# Altium PCB Motherboard PCB.PcbDoc (part 1 of 3) (continued)
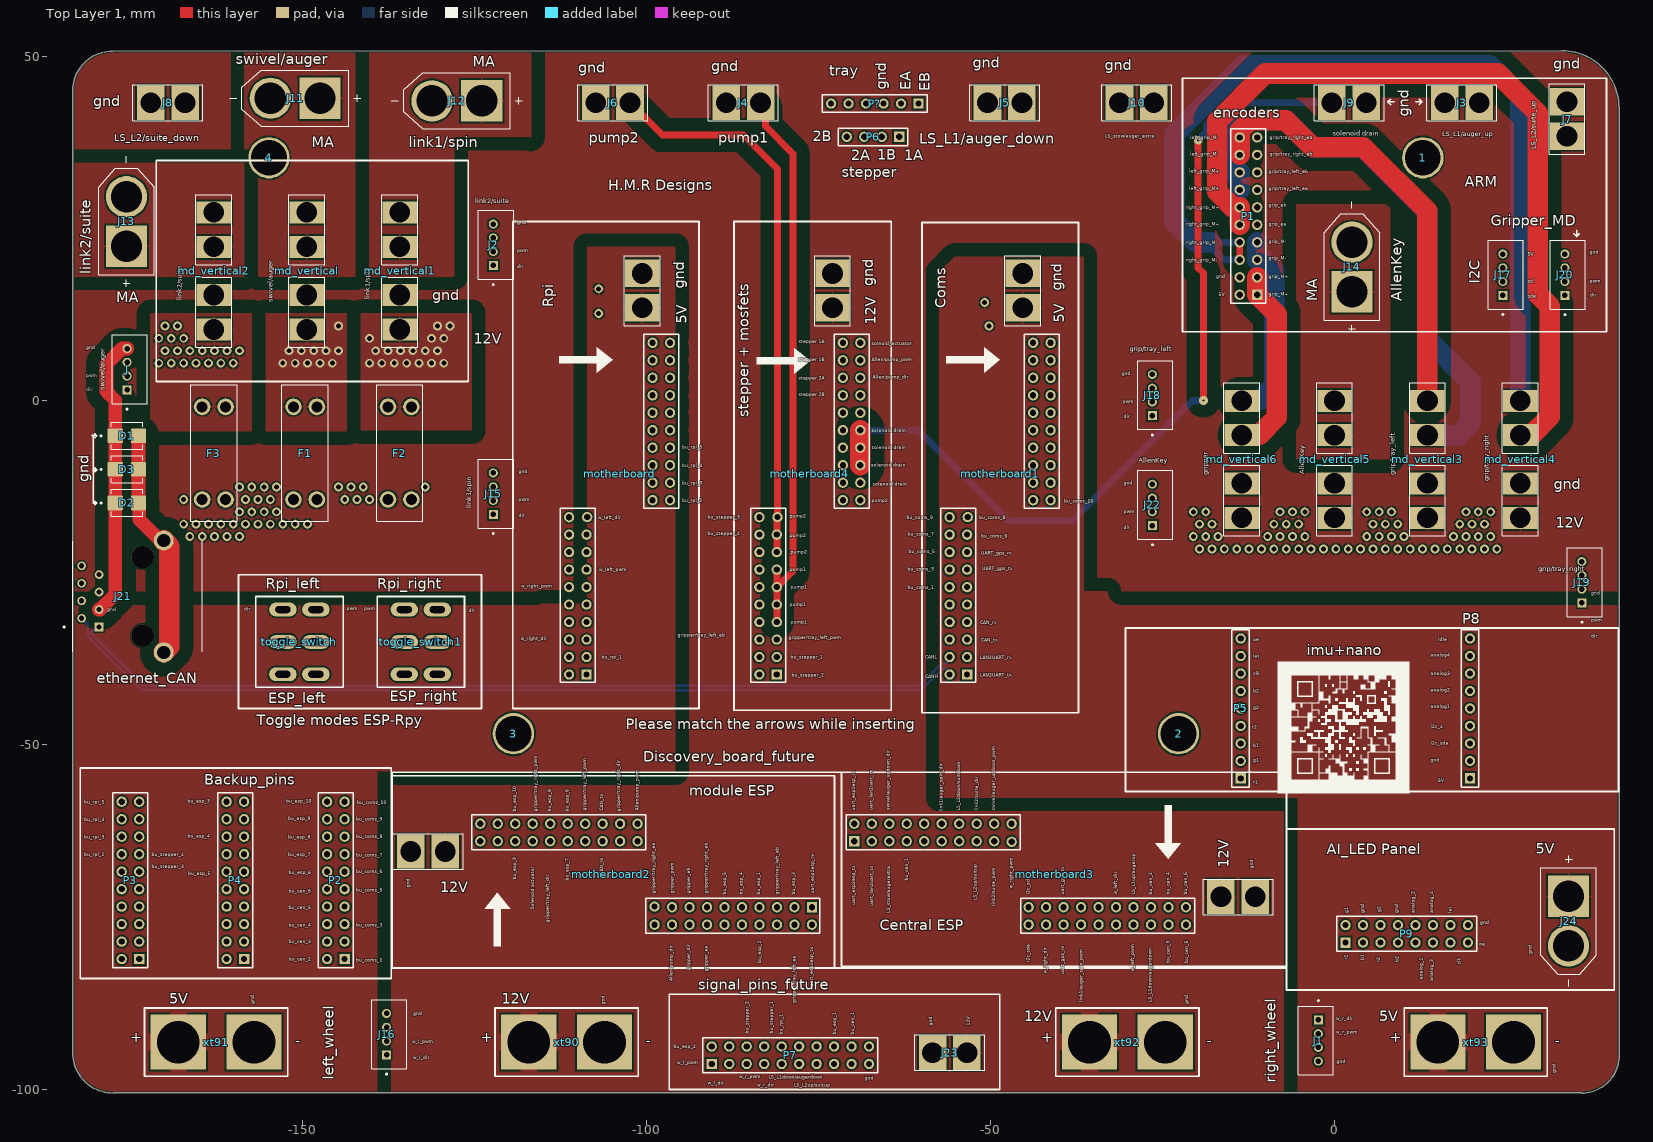
[diagram p0: Top Layer 1 view]
## Nets (pads, with @x,y where several pads share a name; then routed paths per layer and width w, separated by ;. In a path a pad name is that pad's centre, name@x,y a point inside that pad or via, vN(x,y) a via of type N, cw(c..) or ccw(c..) an arc to the next point about the centre after c; other vN are vias at no path point)
can_N: J21.1 motherboard1.4 | length 131.4
  Bottom Layer 1 w0.381: J21.1@-179.502,-32.875 -179.9,-33.273 -180.309,-33.273 -180.532,-33.496 -180.532,-33.923 -173.053,-41.402 -60.321,-41.402 -57.101,-38.182 -56.523,-38.182 -56.3,-37.959 -56.3,-37.91 -55.922,-37.533 motherboard1.4@-55.922,-37.23
CAN_P: J21.2 motherboard1.2 | length 133.4
  Bottom Layer 1 w0.381: J21.2@-182.042,-31.605 -181.987,-31.605 -181.167,-32.425 -181.167,-34.186 -173.316,-42.037 -60.058,-42.037 -56.838,-38.817 -56.523,-38.817 -56.3,-39.041 -56.3,-39.09 -55.922,-39.467 motherboard1.2@-55.922,-39.77
GND: D1.1 D2.1 D3.1 J1.4 J2.4 J3.2 J4.2 J5.2 J6.2 J7.2 J8.2 J9.2 J10.2 J15.4 J16.4 J18.4 J19.4 J20.4 J21.3 J22.4 J23.2 J24.N J.4 md_vertical1.2 md_vertical2.2 md_vertical3.2 md_vertical4.2 md_vertical5.2 md_vertical6.2 md_vertical.2 motherboard1.pow- motherboard2.pow- motherboard3.pow- motherboard4.pow- motherboard.pow- P1.4 P7.19 P8.2 P9.4 P9.8 P9.16 P?.3 xt90.2 xt91.2 xt92.2 xt93.2 | length 157.8
  Top Layer 1 w2: J21.3@-179.502,-30.335 -179.371,-30.335 -177.143,-28.107 D2.1@-177.143,-14.841 D3.1@-177.143,-9.969 D1.1@-177.143,-5.098 -177.143,0.076 -178.435,1.368 -178.435,5.305 -176.15,7.59 J.4@-175.438,7.59
  Top Layer w1: -107.298,40.132 -107.298,31.284 -102.584,26.57 -102.584,20 -101.084,18.5 motherboard.pow-@-100.584,18.5
  Top Layer w1.5: -107.362,40.259 -107.362,40.759
  Top Layer w3: J8.2@-172.014,43.321 -172.014,33.965 -168.066,30.017 -168.066,19.709 -163.723,15.366 md_vertical2.2@-162.823,15.366 ; -107.362,40.259 -106.862,40.759
  Bottom Layer w0.254: xt90.2@-106.069,-93.18 xt90.2@-104.303,-94.946 ; J23.2@-58.403,-95.204 J23.2@-58.403,-94.704
  Bottom Layer w3: motherboard.pow-@-100.584,18.5 -100.142,18.058 -72.045,18.058 -72.045,18.18 -71.937,18.288 motherboard1.pow-@-45.502,18.288
NetD1_2: D1.2 D2.2 D3.2 J21.9 J21.10 | length 34
  Top Layer 1 w2: D1.2@-173.783,-5.098 D3.2@-173.783,-9.969 D2.2@-173.783,-14.841 -173.738,-14.841 -173.673,-14.906 -173.673,-17.208 -170.75,-20.131 -170.275,-20.131 J21.10@-170.104,-20.302
  Top Layer 1 w3: J21.9@-170.104,-36.558 -169.291,-35.745 -169.291,-21.115 J21.10@-170.104,-20.302
NetF1_1_1: F1.1_1 F1.1_2 F2.1_1 F2.1_2 F3.1_1 F3.1_2 J23.1 md_vertical3.1 md_vertical4.1 md_vertical5.1 md_vertical6.1 motherboard2.pow+ motherboard3.pow+ motherboard4.pow+ xt90.1 xt92.1 | length 19.1
  Top Layer w0.254: J23.1@-53.403,-94.704 J23.1@-53.403,-94.204
  Bottom Layer w3: J23.1@-53.403,-94.704 -53.403,-94.442 -52.903,-93.942 -36.362,-93.942 xt92.1@-35.6,-93.18
  other v2: -19.614,-21.531 -17.814,-21.531 -16.014,-21.531 -14.214,-21.531 -12.414,-21.531 -10.614,-21.531 -8.814,-21.531 -7.014,-21.531 -5.214,-21.531 -3.414,-21.531 -1.614,-21.531 0.186,-21.531 1.986,-21.531 3.786,-21.531 5.586,-21.531 7.386,-21.531 9.186,-21.531 10.986,-21.531 12.786,-21.531 14.586,-21.531 16.386,-21.531 18.186,-21.531 19.986,-21.531 21.786,-21.531 23.586,-21.531 -166.314,-19.731 -164.514,-19.731 -162.714,-19.731 -160.914,-19.731 -159.114,-19.731 -20.514,-19.731 -18.714,-19.731 -16.914,-19.731 -9.714,-19.731 -7.914,-19.731 -6.114,-19.731 -4.314,-19.731 4.686,-19.731 6.486,-19.731 8.286,-19.731 10.086,-19.731 17.286,-19.731 19.086,-19.731 20.886,-19.731 22.686,-19.731 -167.214,-17.931 -165.414,-17.931 -163.614,-17.931 -161.814,-17.931 -160.014,-17.931 -158.214,-17.931 -156.414,-17.931 -154.614,-17.931 -152.814,-17.931 -151.014,-17.931 -149.214,-17.931 -19.614,-17.931 -17.814,-17.931 -8.814,-17.931 -7.014,-17.931 -5.214,-17.931 5.586,-17.931 7.386,-17.931 9.186,-17.931 18.186,-17.931 19.986,-17.931 21.786,-17.931 -159.114,-16.131 -157.314,-16.131 -155.514,-16.131 -153.714,-16.131 -20.514,-16.131 -18.714,-16.131 -7.914,-16.131 -6.114,-16.131 -4.314,-16.131 4.686,-16.131 6.486,-16.131 8.286,-16.131 19.086,-16.131 20.886,-16.131 22.686,-16.131 -167.214,-14.331 -158.214,-14.331 -156.414,-14.331 -154.614,-14.331 -143.814,-14.331 -142.014,-14.331 -140.214,-14.331 -159.114,-12.531 -157.314,-12.531 -155.514,-12.531 -153.714,-12.531 -144.714,-12.531 -142.914,-12.531 -141.114,-12.531 -132.114,-12.531
NetF1_2_1: F1.2_1 F1.2_2 md_vertical.1
  other v2: -152.814,5.469 -151.014,5.469 -149.214,5.469 -147.414,5.469 -145.614,5.469 -151.914,7.269 -150.114,7.269 -148.314,7.269 -146.514,7.269 -144.714,7.269 -144.714,10.869
NetF2_2_1: F2.2_1 F2.2_2 md_vertical1.1
  other v2: -140.214,5.469 -138.414,5.469 -136.614,5.469 -134.814,5.469 -133.014,5.469 -131.214,5.469 -129.414,5.469 -139.314,7.269 -137.514,7.269 -135.714,7.269 -133.914,7.269 -132.114,7.269 -130.314,7.269 -140.214,9.069 -131.214,9.069 -129.414,9.069 -130.314,10.869 -128.514,10.869
NetF3_2_1: F3.2_1 F3.2_2 md_vertical2.1
  other v2: -170.814,5.469 -169.014,5.469 -167.214,5.469 -165.414,5.469 -163.614,5.469 -161.814,5.469 -160.014,5.469 -169.914,7.269 -168.114,7.269 -166.314,7.269 -164.514,7.269 -162.714,7.269 -160.914,7.269 -159.114,7.269 -170.814,9.069 -169.014,9.069 -167.214,9.069 -169.914,10.869 -168.114,10.869
NetJ1_1: J1.1 P7.7 toggle_switch1.5 | length 194.2
  Top Layer w1: toggle_switch1.5@-130.353,-35.034 -129.381,-35.034 -127.599,-36.816 -127.599,-42.181 -130.04,-44.622 -130.04,-47.418 -125.622,-51.836 -125.622,-64.97 -124.333,-66.259 -124.333,-77.148 -119.312,-82.169 -110.744,-82.169 -104.487,-88.426 -100.838,-88.426 -100.252,-89.012 -100.252,-97.353 -99.666,-97.939 -87.522,-97.939 v1(-87.521,-97.938) ; v1(-84.836,-99.314) -82.963,-97.441 -82.963,-96.451 P7.7@-82.867,-96.355 P7.7@-82.771,-96.451 ; v1(-5.905,-97.925) -5.905,-90.301 -5.803,-90.199 v1(-5.803,-90.126)
  Bottom Layer w1: v1(-87.521,-97.938) -87.448,-97.938 -86.199,-99.187 v1@-84.709,-99.187 ; P7.7@-82.867,-96.355 -80.756,-98.466 -30.984,-98.466 -30.754,-98.236 -18.04,-98.236 -17.81,-98.006 -8.54,-98.006 -8.459,-97.925 v1(-5.905,-97.925) ; v1(-5.803,-90.126) -5.752,-90.075 -2.466,-90.075 J1.1@-2.349,-89.957
NetJ1_2: J1.2 P7.5 toggle_switch1.2 | length 212.1
  Top Layer w1: toggle_switch1.2@-135.153,-35.034 -136.125,-35.034 -137.907,-36.816 -137.907,-50.942 -133.604,-55.245 -133.604,-60.071 -135.769,-62.236 -136.51,-62.236 -136.952,-62.678 -136.952,-68.302 -134.922,-70.332 -134.922,-78.116 -132.715,-80.323 -132.715,-97.585 -130.973,-99.327 -86.946,-99.327 -85.439,-97.82 -85.439,-96.387 P7.5@-85.407,-96.355 ; v1(-4.496,-99.55) v1(-4.496,-91.93)
  Bottom Layer w1: P7.5@-85.407,-96.355 -85.311,-96.451 -85.311,-96.807 -82.398,-99.72 -30.465,-99.72 -30.295,-99.55 v1(-4.496,-99.55) ; v1(-4.496,-91.93) -4.482,-91.944 -2.363,-91.944 J1.2@-2.349,-91.957
NetJ2_1: J2.1 motherboard3.16 | length 148.1
  Top Layer w1: v1(-108.769,18.781) -108.768,-4.008 -102.671,-10.105 -102.671,-27.004 -102.616,-27.059 -102.616,-43.958 -102.613,-43.961 v1(-102.613,-44.083) ; v1(-53.02,-44.342) -53.02,-46.877 -53.308,-47.165 -53.308,-57.749 -51.994,-59.063 motherboard3.16@-51.994,-61.45
  Bottom Layer w1: J2.1@-122.225,19.672 -118.854,19.672 -117.498,18.315 -111.067,18.315 -110.653,18.729 -108.82,18.729 v1(-108.769,18.781) ; v1(-102.613,-44.083) -102.54,-44.083 -102.046,-44.577 -86.848,-44.577 -86.119,-45.306 -82.483,-45.306 -82.213,-45.036 -78.47,-45.036 -77.319,-45.036 -67.516,-45.036 -67.246,-45.306 -60.131,-45.306 -60.101,-45.276 -54.112,-45.276 -53.313,-44.477 -53.228,-44.477 -53.093,-44.342 v1(-53.02,-44.342)
NetJ2_2: J2.2 motherboard3.17 | length 203.2
  Top Layer w1: v1(-108.649,20.319) -108.597,20.268 -108.291,20.268 -105.208,17.184 -105.208,-5.536 -101.417,-9.327 -101.417,-25.84 -101.227,-26.03 v1(-101.227,-30.853) ; v1(-86.654,-30.861) -86.654,-30.788 -87.122,-30.32 -87.122,-25.34 -85.598,-23.816 -85.598,-16.368 -84.416,-15.186 v1(-84.416,-15.113) ; v1(-75.43,-19.849) -75.43,-19.776 -75.295,-19.641 -75.295,-17.487 -75.43,-17.352 v1(-75.43,-15.125) ; v1(-64.499,-19.812) -64.499,-19.739 -64.397,-19.637 -64.397,-17.59 -64.484,-17.502 -64.484,-15.382 v1(-64.499,-15.367) ; v1(-50.292,-15.367) -50.292,-31.623 -49.276,-32.639 -49.276,-33.85 -48.903,-34.223 -48.903,-48.198 -49.276,-48.571 -49.276,-56.315 -48.895,-56.696 v1(-48.895,-56.769) ; motherboard3.17@-49.454,-63.99 -47.858,-65.586 -46.279,-65.586 -45.339,-64.646 v1(-45.339,-56.832)
  Bottom Layer w1: J2.2@-122.225,21.672 -119.081,21.672 -116.978,19.569 -111.586,19.569 -110.836,20.319 v1(-108.649,20.319) ; v1(-101.227,-30.853) -101.11,-30.853 -101.102,-30.861 v1(-86.654,-30.861) ; v1(-84.416,-15.113) -84.41,-15.119 -75.436,-15.119 v1(-75.43,-15.125) ; v1(-75.43,-19.849) -75.412,-19.83 -64.518,-19.83 v1(-64.499,-19.812) ; v1(-64.499,-15.367) -64.472,-15.394 v1@-50.292,-15.394 ; v1(-48.895,-56.769) -48.863,-56.801 -45.371,-56.801 v1(-45.339,-56.832)
NetJ3_1: J3.1 motherboard3.34 | length 205
  Top Layer w1: v1(-31.115,-58.801) -31.115,-62.852 -29.369,-64.598 -29.369,-66.466 -29.71,-66.807 -29.71,-72.33 -29.3,-72.741 -29.3,-73.486 motherboard3.34@-29.204,-73.582 ; v1(20.955,27.813) 20.955,27.886 21.209,28.14 21.209,43.1 J3.1@21.002,43.307 ; v1(37.719,-57.912) 39.116,-56.515 39.116,27.359 38.735,27.74 v1(38.735,27.813)
  Bottom Layer w1: v1(-31.115,-58.801) -31.113,-58.799 -28.98,-58.799 -28.736,-58.555 2.808,-58.555 3.451,-57.912 v1(37.719,-57.912) ; v1(20.955,27.813) v1(38.735,27.813)
NetJ4_1: J4.1 motherboard4.7 motherboard4.9 motherboard4.11 motherboard4.13 | length 160.6
  Top Layer 1 w1: J4.1@-83.392,43.307 -82.692,42.607 -82.692,39.893 -78.683,35.884 -78.683,-24.724 motherboard4.11@-81.029,-27.07 ; motherboard4.7@-81.029,-32.15 motherboard4.9@-81.029,-29.61 motherboard4.11@-81.029,-27.07 ; motherboard4.13@-81.029,-24.53 motherboard4.11@-81.029,-27.07
  Top Layer w1: J4.1@-83.392,41.021 -83.392,37.799 -79.502,33.909 -79.502,28.603 -80.145,27.96 -80.145,25.185 -80.216,25.114 -80.216,5.308 -79.502,4.594 -79.502,-11.93 v1(-79.51,-11.938) ; motherboard4.7@-81.026,-32.108 motherboard4.13@-81.026,-24.488 ; v1(-78.359,-24.511) -78.349,-24.501 -78.349,-13.012 -78.121,-12.784 -78.121,-12.081 v1(-78.105,-12.065)
  Bottom Layer w1: motherboard4.13@-81.26,-24.53 -81.25,-24.52 -78.368,-24.52 v1(-78.359,-24.511) ; v1(-79.51,-11.938) -79.437,-11.938 -79.362,-12.013 -78.157,-12.013 v1(-78.105,-12.065)
NetJ5_1: J5.1 motherboard3.35 P7.11 | length 277.8
  Top Layer w1: P7.11@-77.787,-96.355 -74.844,-99.298 -15.445,-99.298 -14.859,-98.712 v1(-14.859,-85.344) ; v1(-45.629,-55.336) -45.629,-50.603 -46.101,-50.131 -46.101,-7.493 -48.544,-5.05 -48.544,21.598 -45.72,24.422 -45.72,43.006 J5.1@-45.419,43.307 ; v1(-26.664,-85.783) motherboard3.35@-26.664,-76.122 ; v1(-6.223,-84.201) -6.174,-84.152 -6.174,-72.962 -5.874,-72.662 -5.874,-57.18 -5.925,-57.128 -5.925,-56.878 v1(-5.977,-56.826)
  Bottom Layer w1: v1(-45.629,-55.336) -45.593,-55.372 -27.522,-55.372 -26.125,-56.769 -16.397,-56.769 -16.278,-56.65 -8.612,-56.65 -8.436,-56.826 v1(-5.977,-56.826) ; v1(-26.664,-85.783) -26.661,-85.78 -24.011,-85.78 -23.879,-85.648 -22.725,-85.648 -22.664,-85.709 -16.185,-85.709 -15.872,-85.396 -14.88,-85.396 -14.859,-85.417 -14.734,-85.292 -12.854,-85.292 -12.009,-84.447 -11.998,-84.447 -11.691,-84.141 -10.153,-84.141 -9.973,-84.32 -8.415,-84.32 -8.348,-84.253 -6.275,-84.253 v1(-6.223,-84.201)
NetJ6_1: J6.1 motherboard4.15 motherboard4.17 motherboard4.19 motherboard4.21 | length 177
  Top Layer 1 w1: J6.1@-102.362,43.307 -97.663,38.608 -85.852,38.608 -80.937,33.693 motherboard4.19@-80.937,-16.898 -80.983,-16.944 -80.983,-19.45 -80.983,-21.944 motherboard4.15@-81.029,-21.99
  Top Layer w1: -102.349,40.627 -102.108,40.386 v1(-102.108,31.242) ; v1(-81.534,27.393) -81.534,22.229 -81.47,22.165 -81.47,4.788 -80.937,4.255 motherboard4.19@-80.937,-16.898 -81.029,-16.99 motherboard4.17@-81.029,-19.45 motherboard4.15@-81.029,-21.99 ; v1(-68.834,-16.764) -68.865,-16.732 -68.865,-14.443 motherboard4.21@-68.834,-14.412
  Bottom Layer w1: v1(-102.108,31.242) -102.1,31.25 -95.061,31.25 -91.878,28.067 -88.91,28.067 -88.101,27.258 -84.873,27.258 -84.738,27.393 v1(-81.534,27.393) ; motherboard4.19@-80.772,-17.018 -80.748,-16.994 -80.488,-16.994 -80.463,-17.018 -69.161,-17.018 -68.907,-16.764 v1(-68.834,-16.764)
NetJ7_1: J7.1 motherboard3.15 P7.13 | length 254.3
  Top Layer w1: P7.13@-75.247,-96.355 -73.558,-98.044 -48.338,-98.044 -47.752,-97.458 -47.752,-93.519 -55.364,-85.907 -55.364,-67.36 motherboard3.15@-51.994,-63.99 -49.144,-66.84 -45.76,-66.84 -42.303,-63.383 -41.702,-63.383 -40.994,-62.675 -39.575,-62.675 -38.989,-62.089 -38.989,-60.366 -38.132,-59.509 -38.132,-44.16 -38.219,-44.073 -38.219,-34.223 -38.013,-34.017 v1(-38.013,-28.321) ; v1(22.86,-28.448) 22.86,-25.212 26.228,-21.844 31.006,-21.844 31.592,-21.258 31.592,-8.335 30.369,-7.112 30.369,4.975 28.837,6.507 28.837,27.351 33.782,32.296 J7.1@33.782,38.434
  Bottom Layer w1: v1(-38.013,-28.321) -37.981,-28.289 -16.498,-28.289 -16.45,-28.241 22.58,-28.241 22.787,-28.448 v1(22.86,-28.448)
NetJ8_1: J8.1 motherboard3.14 | length 225.7
  Top Layer w1: v1(-167.014,39.13) J8.1@-167.014,43.321 ; v1(-103.819,16) -103.838,15.981 -103.838,11.188 -103.396,10.746 -97.772,10.746 -97.134,11.384 -97.134,23.048 -96.496,23.686 v1(-96.496,26.17) ; v1(-74.041,9.779) -74.041,-19.939 -62.23,-31.75 -62.23,-42.029 -61.125,-43.134 -61.125,-43.425 -60.706,-43.844 v1(-60.706,-43.917) ; motherboard3.14@-54.534,-61.45 -54.562,-61.422 -54.562,-43.835 -54.483,-43.756 v1(-54.483,-43.683)
  Bottom Layer w1: v1(-167.014,39.13) -137.042,39.13 -127.249,29.337 -121.031,29.337 -117.864,26.17 v1(-96.496,26.17) ; v1(-103.819,16) -103.838,15.981 -103.838,11.188 -103.396,10.746 -76.405,10.746 -75.49,9.831 -74.093,9.831 v1(-74.041,9.779) ; v1(-60.706,-43.917) -60.633,-43.917 -60.399,-43.683 v1(-54.483,-43.683)
NetJ9_1: J9.1 motherboard4.23 motherboard4.25 motherboard4.27 motherboard4.29 | length 303.3
  Top Layer 1 w1: motherboard4.29@-68.897,-4.28 -68.801,-4.184 motherboard4.29@-68.801,-3.771 ; v3(-19.812,37.846) -19.812,19.325 -19.05,18.563 v3(-19.05,0.042)
  Top Layer 1 w3: motherboard4.25@-68.897,-9.36 motherboard4.27@-68.897,-6.82 motherboard4.29@-68.897,-4.28
  Top Layer w1: motherboard4.23@-68.897,-11.9 motherboard4.25@-68.897,-9.36 motherboard4.27@-68.897,-6.82 ; motherboard4.27@-68.834,-6.82 motherboard4.29@-68.834,-4.491 ; v1(-65.062,-4.28) -65.043,-4.261 -65.043,0.489 v1(-65.024,0.508) ; v1(-61.722,0.635) v1(-61.722,27.393) ; v1(-32.385,13.208) v1(-32.385,27.94) ; v1(-0.508,32.258) -0.508,32.331 -0.381,32.458 J9.1@-0.381,43.307 ; v1(5.588,32.258) 7.366,30.48 7.366,8.201 7.112,7.947 v1(7.112,7.874)
  Bottom Layer w1: motherboard4.29@-68.897,-4.28 v1(-65.062,-4.28) ; v1(-65.024,0.508) -61.922,0.508 -61.795,0.635 v1(-61.722,0.635) ; v1(-61.722,27.393) -61.67,27.445 -61.376,27.445 -61.293,27.528 -41.536,27.528 -41.377,27.369 -35.498,27.369 -34.927,27.94 v1(-32.385,27.94) ; v1(-32.385,13.208) -21.378,13.208 -19.981,11.811 -12.692,11.811 -9.918,9.037 -5.862,9.037 -4.699,7.874 v1(7.112,7.874) ; v1(-0.508,32.258) v1(5.588,32.258)
  Bottom Layer 1 w1: motherboard4.29@-68.897,-4.28 -60.526,-4.28 -47.407,-17.399 -38.1,-17.399 -20.659,0.042 v3(-19.05,0.042) ; v3(-19.812,37.846) -19.812,37.919 -18.537,39.194 -18.537,40.236 -15.466,43.307 J9.1@-0.381,43.307
NetJ10_1: J10.1 motherboard3.5 | length 157.8
  Top Layer w1: v1(-64.77,-74.462) -64.732,-74.424 -64.732,-64.028 motherboard3.5@-64.694,-63.99 ; v1(-50.792,-74.549) -50.74,-74.497 -50.74,-73.219 -46.869,-69.348 -44.721,-69.348 -41.264,-65.891 -40.663,-65.891 -39.955,-65.183 -36.227,-65.183 -34.236,-63.192 -33.715,-63.192 -32.902,-62.379 -32.902,-61.858 -32.856,-61.812 -32.856,-50.13 -32.528,-49.802 -32.528,-32.152 -27.591,-27.215 -27.591,-19.377 -27.875,-19.093 -27.875,4.93 -25.146,7.659 -25.146,42.211 J10.1@-26.242,43.307
  Bottom Layer w1: v1(-64.77,-74.462) -62.226,-74.462 -62.139,-74.549 v1(-50.792,-74.549)
NetJ11_N: J11.N md_vertical.4
NetJ11_P: J11.P md_vertical.3
NetJ12_N: J12.N md_vertical1.4
NetJ12_P: J12.P md_vertical1.3 | length 2.8
  Top Layer 1 w2: J12.P@-125.866,41.626 J12.P@-123.917,43.575
NetJ13_N: J13.N md_vertical2.4
NetJ13_P: J13.P md_vertical2.3
NetJ14_N: J14.N md_vertical5.4
NetJ14_P: J14.P md_vertical5.3 | length 1.2
  Bottom Layer w3.597: J14.P@2.531,15.845 3.631,15.845 J14.P@3.732,15.744
NetJ15_1: J15.1 motherboard3.12 | length 240.6
  Top Layer w1: v1(-93.077,-18.902) -93.096,-18.883 -93.096,-16.666 -92.532,-16.102 -92.532,-15.196 -91.757,-14.421 -91.008,-13.672 -91.008,10.331 -91.495,10.818 v1(-91.495,20.447) ; v1(-63.881,-40.64) -63.903,-40.662 -63.903,-54.621 motherboard3.12@-57.074,-61.45 ; v1(-61.595,-2.54) -61.595,-11.736 -61.856,-11.998 -61.856,-22.036 -61.991,-22.171 -61.991,-24.197 -60.706,-25.483 v1(-60.706,-40.386) ; v1(-55.88,-2.667) v1(-55.88,21.971)
  Bottom Layer w1: J15.1@-122.225,-16.492 -128.016,-10.701 -128.016,-6.209 -124,-2.193 -124,-0.314 -120.289,3.397 -110.862,3.397 -100.588,-6.877 -100.588,-16.637 -100.002,-17.223 -98.606,-17.223 -97.16,-18.669 -96.372,-18.669 -95.333,-19.708 -93.91,-19.708 -93.104,-18.902 v1(-93.077,-18.902) ; v1(-91.495,20.447) -77.343,20.447 -75.819,21.971 v1@-56.134,21.971 ; v1(-63.881,-40.64) -63.829,-40.588 -61.756,-40.588 -61.554,-40.386 v1(-60.706,-40.386) ; v1(-61.595,-2.54) -56.08,-2.54 -55.953,-2.667 v1(-55.88,-2.667)
NetJ15_2: J15.2 motherboard3.27 | length 290.1
  Top Layer w1: v1(-123.698,32.885) -123.698,26.326 -123.729,26.295 -123.729,16.85 -121.222,14.343 -121.222,-1.464 -121.277,-1.519 -121.277,-2.504 -120.817,-2.964 -120.817,-13.075 -122.225,-14.483 J15.2@-122.225,-14.492 ; v1(-49.022,-86.233) -49.022,-79.965 -49.141,-79.846 -49.141,-73.652 -46.091,-70.602 -44.201,-70.602 -40.782,-67.183 -40.181,-67.183 -39.475,-66.477 -37.608,-66.477 -37.387,-66.699 -36.24,-66.699 v1(-36.188,-66.75) ; v1(-39.497,1.397) -39.497,17.626 -39.616,17.745 -39.616,25.223 -39.243,25.596 v1(-39.243,32.52) ; v1(-39.058,-85.783) -36.824,-83.549 motherboard3.27@-36.824,-76.122 ; v1(-34.291,-61.803) -34.291,-61.73 -34.156,-61.595 -34.156,-59.214 -34.11,-59.168 -34.11,-49.611 -33.782,-49.283 v1@-33.782,1.143
  Bottom Layer w1: v1(-123.698,32.885) -93.324,32.885 -92.983,32.544 -39.267,32.544 v1(-39.243,32.52) ; v1(-49.022,-86.233) -48.949,-86.233 -47.679,-87.503 -42.536,-87.503 -40.951,-85.918 -39.266,-85.918 -39.183,-85.835 v1@-39.11,-85.835 ; v1(-39.497,1.397) v1(-33.782,1.397) ; v1(-36.188,-66.75) -36.188,-63.701 v1(-34.291,-61.803)
NetJ16_1: J16.1 P7.3 toggle_switch.2 | length 138.9
  Top Layer w1: toggle_switch.2@-152.793,-35.034 -152.793,-33.032 v1(-152.781,-33.02) ; v1(-141.703,-33.006) -141.703,-50.954 -136.457,-56.2 -136.457,-60.431 -137.008,-60.982 -137.03,-60.982 -138.206,-62.158 -138.206,-68.822 -136.176,-70.852 -136.176,-78.636 -134.239,-80.573 v1(-134.239,-95.093) ; J16.1@-137.731,-95.021 -137.725,-95.027 -137.725,-99.417 v1(-137.719,-99.423) ; P7.3@-87.947,-96.381 P7.3@-87.947,-96.355
  Bottom Layer w1: v1(-152.781,-33.02) -152.774,-33.013 -141.71,-33.013 v1(-141.703,-33.006) ; J16.1@-137.731,-95.021 -137.695,-95.057 -134.275,-95.057 v1(-134.239,-95.093) ; v1(-137.719,-99.423) -137.646,-99.423 -137.501,-99.568 -91.118,-99.568 -87.947,-96.397 P7.3@-87.947,-96.355
NetJ16_2: J16.2 P7.1 toggle_switch.5 | length 121.5
  Top Layer w1: v1(-143.092,-35.179) -143.092,-51.338 -142.24,-52.19 -142.24,-66.259 -139.46,-69.039 -139.46,-69.341 -137.43,-71.371 -137.43,-79.155 -137.295,-79.29 -137.295,-86.594 -139.139,-88.438 -139.139,-92.352 -139.79,-93.003 v1(-139.79,-93.076) ; v1@-135.687,-92.978 -135.67,-92.996 -135.67,-98 v1(-135.636,-98.034) ; P7.1@-90.568,-96.274 P7.1@-90.487,-96.355
  Bottom Layer w1: toggle_switch.5@-147.993,-35.034 -147.984,-35.043 -143.301,-35.043 -143.165,-35.179 v1(-143.092,-35.179) ; v1(-139.79,-93.076) -139.762,-93.048 -137.758,-93.048 -137.672,-92.962 v1(-135.703,-92.962) ; v1(-135.636,-98.034) -94.351,-98.034 -92.672,-96.355 P7.1@-90.487,-96.355
NetJ17_1: J17.1 motherboard3.21 P8.3 | length 209.3
  Top Layer w1: v1(-44.45,-76.237) -44.444,-76.231 motherboard3.21@-44.444,-76.122 ; v1(-9.398,-87.122) v1(-9.398,-82.931) ; v1(24.892,-86.995) 24.892,-69.468 25.273,-69.087 v1(25.273,-49.784) ; v1(30.226,10.414) v1(30.226,15.367) ; v1(35.687,-49.784) 37.719,-47.752 37.719,-8.015 34.417,-4.713 34.417,9.144 v1(35.687,10.414)
  Bottom Layer w1: motherboard3.21@-44.431,-76.218 v1(-44.45,-76.237) -44.348,-76.339 -44.348,-76.857 -43.579,-77.626 -20.961,-77.626 -20.932,-77.597 -20.066,-77.597 -15.994,-81.669 -11.862,-81.669 -10.652,-82.879 -9.45,-82.879 v1(-9.398,-82.931) ; v1(-9.398,-87.122) -6.176,-87.122 -6.119,-87.065 24.632,-87.065 24.649,-87.047 24.84,-87.047 v1(24.892,-86.995) ; P8.3@19.685,-49.784 v1(35.687,-49.784) ; J17.1@24.46,15.322 30.181,15.322 v1(30.226,15.367) ; v1(30.226,10.414) v1(35.687,10.414)
NetJ17_2: J17.2 motherboard3.22 P8.4 | length 183
  Top Layer w1: motherboard3.22@-44.444,-73.582 motherboard3.22@-44.348,-73.486 ; v1(-28.321,-71.755) -28.321,-67.191 -28.043,-66.913 -28.043,-61.996 -28.099,-61.94 -28.099,-61.56 v1(-28.15,-61.508) ; v1(10.287,-60.96) v1(10.287,-31.234) ; v1(31.623,-30.607) 31.623,-25.087 32.846,-23.864 32.846,-7.7 31.623,-6.477 v1(31.623,17.272)
  Bottom Layer w1: motherboard3.22@-44.444,-73.582 -44.309,-73.582 -43.339,-72.612 -43.061,-72.612 -42.527,-72.078 -31.121,-72.078 -28.835,-72.078 -28.564,-71.807 -28.373,-71.807 v1(-28.321,-71.755) ; v1(-28.15,-61.508) -15.284,-61.508 -15.149,-61.643 -2.355,-61.643 -1.672,-60.96 v1(10.287,-60.96) ; v1(10.287,-47.244) P8.4@19.685,-47.244 ; v1(10.287,-31.234) 29.775,-31.234 30.351,-30.659 31.571,-30.659 v1(31.623,-30.607) ; J17.2@24.46,17.322 24.485,17.297 31.598,17.297 v1(31.623,17.272)
NetJ17_4: J17.4 J24.P motherboard1.pow+ motherboard.pow+ P1.2 P?.4 xt91.1 xt93.1 | length 132.4
  Top Layer w2: P?.4@-67.818,42.545 -67.818,43.728 -66.362,45.184 -59.183,45.184 -56.579,42.58 -56.579,37.787 -53.975,35.183 v1@-53.975,12.319
  Bottom Layer w1: motherboard1.pow+@-45.29,13.5 -34.057,13.5 -32.152,15.405 P1.2@-13.779,15.405
  Bottom Layer w1.5: P1.2@-13.779,15.405 -13.779,15.025 -9.295,10.541 12.827,10.541 23.608,21.322 J17.4@24.46,21.322
  Bottom Layer w2: v1(-53.848,13.589) -53.371,13.589 -52.691,14.269 v2(-50.832,14.269) ; -53.371,12.669 v1(-53.848,12.192) -51.537,12.192 v2(-50.214,10.869)
  Bottom Layer w3: J24.P@32.878,-70.866 J24.P@34.004,-71.992
  other v2: -106.914,12.669 -106.914,16.269
NetJ18_1: J18.1 motherboard2.32 | length 184.4
  Top Layer w1: motherboard2.32@-113.958,-63.99 -113.938,-64.009 -113.938,-65.282 v1(-113.919,-65.302) ; v1(-97.051,-37.211) -97.051,-39.71 -97.186,-39.845 -97.186,-43.074 -97.091,-43.169 -97.091,-43.855 -95.885,-45.061 v1(-95.885,-63.778) ; v1(-86.462,-37.473) -86.479,-37.49 -86.479,-42.46 -83.628,-45.312 -83.28,-45.312 v1(-81.988,-46.604) ; v1(-77.894,-46.425) -77.851,-46.382 -77.851,-42.54 -76.937,-41.626 -76.937,-27.28 -75.914,-26.257 -75.914,-23.654 v1(-75.946,-23.622) ; v1@-60.579,-23.599 -60.602,-23.576 -60.602,-15.208 -60.467,-15.073 v1(-60.467,-12.573) ; v1(-49.022,-12.573) -48.987,-12.608 -48.987,-14.708 -48.895,-14.8 v1(-48.895,-20.574) ; v1(-35.255,-2.413) -35.255,-2.486 -35.12,-2.621 -35.12,-16.577 -35.179,-16.637 v1(-35.179,-20.447)
  Bottom Layer w1: v1(-113.919,-65.302) -113.867,-65.354 -112.181,-65.354 -112.041,-65.494 -100.635,-65.494 -98.919,-63.778 v1(-95.885,-63.778) ; v1(-97.051,-37.211) -89.097,-37.211 -88.835,-37.473 v1(-86.462,-37.473) ; v1(-81.988,-46.604) -81.914,-46.604 -81.601,-46.29 -80.023,-46.29 -79.94,-46.373 -77.946,-46.373 v1(-77.894,-46.425) ; v1(-75.946,-23.622) -68.385,-23.622 -67.75,-24.257 -61.31,-24.257 -60.675,-23.622 v1(-60.602,-23.622) ; v1(-60.467,-12.573) v1(-49.022,-12.573) ; v1(-48.895,-20.574) -42.855,-20.574 -42.812,-20.618 -35.423,-20.618 -35.252,-20.447 v1(-35.179,-20.447) ; v1(-35.255,-2.413) -32.86,-2.413 -32.62,-2.172 J18.1@-26.467,-2.172
NetJ18_2: J18.2 motherboard2.27 motherboard4.5 | length 170.9
  Top Layer w1: motherboard2.27@-108.878,-61.45 -108.878,-56.775 -106.045,-53.942 v1(-106.045,-49.556) ; v1(-68.326,-50.538) -68.274,-50.486 -68.274,-49.995 -68.223,-49.944 -68.223,-35.006 -68.088,-34.871 v1(-68.088,-34.798) ; v1(-44.712,-49.556) -44.712,-34.752 -44.847,-34.617 -44.847,-19.887 -43.323,-18.363 -43.323,-18.351 -43.236,-18.264 -43.236,-16.14 v1(-43.225,-16.129) ; v1(-39.751,-16.129) -39.746,-16.124 -39.746,-0.259 v1(-39.751,-0.254)
  Bottom Layer w1: v1(-106.045,-49.556) -106.008,-49.593 -95.621,-49.593 -95.311,-49.903 -84.998,-49.903 -84.522,-50.379 -84.125,-50.379 -83.99,-50.514 -68.35,-50.514 v1(-68.326,-50.538) ; motherboard4.5@-81.029,-34.69 -68.269,-34.69 -68.161,-34.798 v1(-68.088,-34.798) ; v1@-68.326,-50.413 -68.242,-50.497 -60.839,-50.497 -60.663,-50.322 -56.708,-50.322 -56.678,-50.292 -50.36,-50.292 -49.623,-49.556 v1(-44.712,-49.556) ; v1(-43.225,-16.129) v1(-39.751,-16.129) ; v1(-39.751,-0.254) -39.71,-0.213 -26.508,-0.213 J18.2@-26.467,-0.172
NetJ19_1: J19.1 motherboard2.23 | length 176
  Top Layer w1: v1(-104.14,-40.005) -104.14,-40.078 -104.394,-40.332 -104.394,-60.719 -103.798,-61.315 motherboard2.23@-103.798,-61.45 ; v1(-15.875,-41.783) v1(-15.875,-29.63)
  Bottom Layer w1: v1(-104.14,-40.005) -90.805,-40.005 -88.282,-42.528 -61.017,-42.528 -60.783,-42.294 -39.037,-42.294 -38.803,-42.528 -16.62,-42.528 v1(-15.875,-41.783) ; v1(-15.875,-29.63) -15.802,-29.63 -15.587,-29.845 29.391,-29.845 30.026,-29.21 35.201,-29.21 35.205,-29.214 35.787,-29.214 J19.1@35.963,-29.39
NetJ19_2: J19.2 motherboard2.33 | length 294.9
  Top Layer w1: v1(-137.29,-27.894) -137.341,-27.946 -137.605,-27.946 -138.274,-28.615 -138.274,-34.087 -139.161,-34.974 -139.161,-51.461 -135.068,-55.554 v1(-135.068,-59.182) ; motherboard2.33@-116.498,-61.45 -116.481,-61.433 -116.481,-58.937 v1(-116.463,-58.92) ; v1@-116.332,-24.946 v1(-116.332,-10.517) ; v1(-108.334,-10.541) -106.79,-12.085 -106.152,-12.085 -104.148,-14.089 v1(-104.148,-20.574) ; v1(-86.987,-23.241) v1@-86.987,-17.009 ; v1(-76.835,-13.462) -76.819,-13.478 -76.819,-18.207 -76.684,-18.342 v1(-76.684,-18.415) ; v1(-65.786,-18.415) -65.786,-18.342 -65.888,-18.24 -65.888,-14.792 -65.838,-14.741 -65.838,-14.022 v1(-65.786,-13.97) ; v1(-44.712,-17.788) v1(-44.712,-15.795) ; v1(-39.497,-17.78) -39.497,-22.561 -36.449,-25.609 v1(-36.449,-31.115) ; v1(33.498,-32.023) 33.498,-27.335 v1@33.528,-27.305
  Bottom Layer w1: v1(-137.29,-27.894) -136.559,-27.164 -126.477,-27.164 -124.332,-25.019 v1(-116.332,-25.019) ; v1(-135.068,-59.182) -135.016,-59.234 -132.894,-59.234 -132.334,-58.674 -124.133,-58.674 -123.888,-58.92 v1(-116.463,-58.92) ; v1(-116.332,-10.517) -111.952,-10.517 -111.849,-10.414 -111.722,-10.541 v1(-108.334,-10.541) ; v1(-104.148,-20.574) -104.097,-20.574 -100.795,-23.876 -98.903,-23.876 -98.326,-24.454 -95.903,-24.454 -93.42,-21.971 -88.33,-21.971 -87.06,-23.241 v1(-86.987,-23.241) ; v1@-86.987,-16.862 -86.987,-14.597 -84.709,-12.319 -81.111,-12.319 -79.968,-13.462 v1(-76.835,-13.462) ; v1(-76.684,-18.415) v1(-65.786,-18.415) ; v1(-65.786,-13.97) -65.778,-13.978 -48.05,-13.978 -47.804,-14.224 -46.283,-14.224 v1(-44.712,-15.795) ; v1(-44.712,-17.788) -44.708,-17.784 -39.501,-17.784 v1(-39.497,-17.78) ; v1(-36.449,-31.115) -36.376,-31.115 -35.995,-31.496 -4.136,-31.496 -3.009,-32.623 30.16,-32.623 30.702,-32.081 v1@33.604,-32.081 ; v1(33.483,-27.085) 33.556,-27.085 33.787,-27.315 35.888,-27.315 J19.2@35.941,-27.368
  other v1: -86.987,-16.935
NetJ20_1: J20.1 motherboard2.16 | length 293.1
  Top Layer w1: v1(-93.912,-90.323) -93.912,-87.883 -93.717,-87.688 -93.717,-76.131 motherboard2.16@-93.708,-76.122 ; v1(-71.12,-90.932) v1(-71.12,-80.018) ; v1(-18.52,-96.671) -18.52,-84.128 -18.425,-84.033 v1(-18.425,-81.415) ; v1(28.194,-84.709) v1(28.194,-25.4) ; v1(32.512,-98.679) v1(32.512,-84.836) ; v1(33.401,-25.273) 33.401,-25.2 34.1,-24.501 34.1,-6.795 33.02,-5.715 33.02,14.865 J20.1@33.477,15.322
  Bottom Layer w1: v1(-93.912,-90.323) -93.839,-90.323 -93.278,-90.884 -84.388,-90.884 -84.261,-91.011 -73.842,-91.011 -73.763,-90.932 v1(-71.12,-90.932) ; v1(-71.12,-80.018) -57.503,-80.018 -57.106,-80.415 -23.49,-80.415 -23.355,-80.28 -19.364,-80.28 -18.477,-81.167 -18.477,-81.363 v1(-18.425,-81.415) ; v1(-18.52,-96.671) -11.916,-96.671 -11.781,-96.536 -5.25,-96.536 -3.107,-98.679 v1(32.512,-98.679) ; v1(28.194,-84.709) v1@32.312,-84.709 ; v1(28.194,-25.4) 33.201,-25.4 33.328,-25.273 v1(33.401,-25.273)
NetJ20_2: J20.2 motherboard2.17 | length 276.3
  Top Layer w1: motherboard2.17@-96.248,-73.582 -93.242,-70.576 -93.242,-44.157 -94.583,-42.816 -94.583,-42.13 -94.678,-42.035 -94.678,-40.884 -94.408,-40.614 -94.408,-36.116 -94.742,-35.782 -94.742,-21.645 -95.607,-20.78 -95.607,-20.73 -95.874,-20.462 -95.874,-17.671 -94.35,-16.147 -93.786,-15.582 -93.786,9.562 -94.361,10.137 -94.361,21.319 -93.853,21.827 -93.853,26.681 -92.807,27.727 -92.807,31.093 v1(-92.837,31.123) ; v1(-35.179,8.382) -35.179,29.147 -35.043,29.283 v1(-35.043,29.356) ; v1(37.287,17.29) 37.313,17.265 37.313,8.662 v1(37.338,8.636)
  Bottom Layer w1: v1(-92.837,31.123) -90.193,31.123 -87.582,28.512 -85.392,28.512 -85.122,28.782 -41.016,28.782 -40.857,28.623 -37.629,28.623 -36.947,29.304 -35.094,29.304 v1(-35.043,29.356) ; v1(-35.179,8.382) -35.106,8.382 -33.709,6.985 -24.502,6.985 -23.994,6.477 -7.651,6.477 -7.433,6.259 19.013,6.259 21.39,8.636 v1(37.338,8.636) ; J20.2@33.477,17.322 33.493,17.306 37.271,17.306 v1(37.287,17.29)